# Altium PCB Microcontroller.PcbDoc
Units mm, origin at the board's own origin, x right, y up, seen from the top; angles counter-clockwise.
Board outline 155.07 x 130.68 mm, 4 copper layers (Signal Layer, GND Layer, 3V3 Layer, 5V Layer), stack 0.603 mm thick; 38 components, 38 nets, 217 pads, 23 vias.
Unrouted connection lines stored in the file: 10.
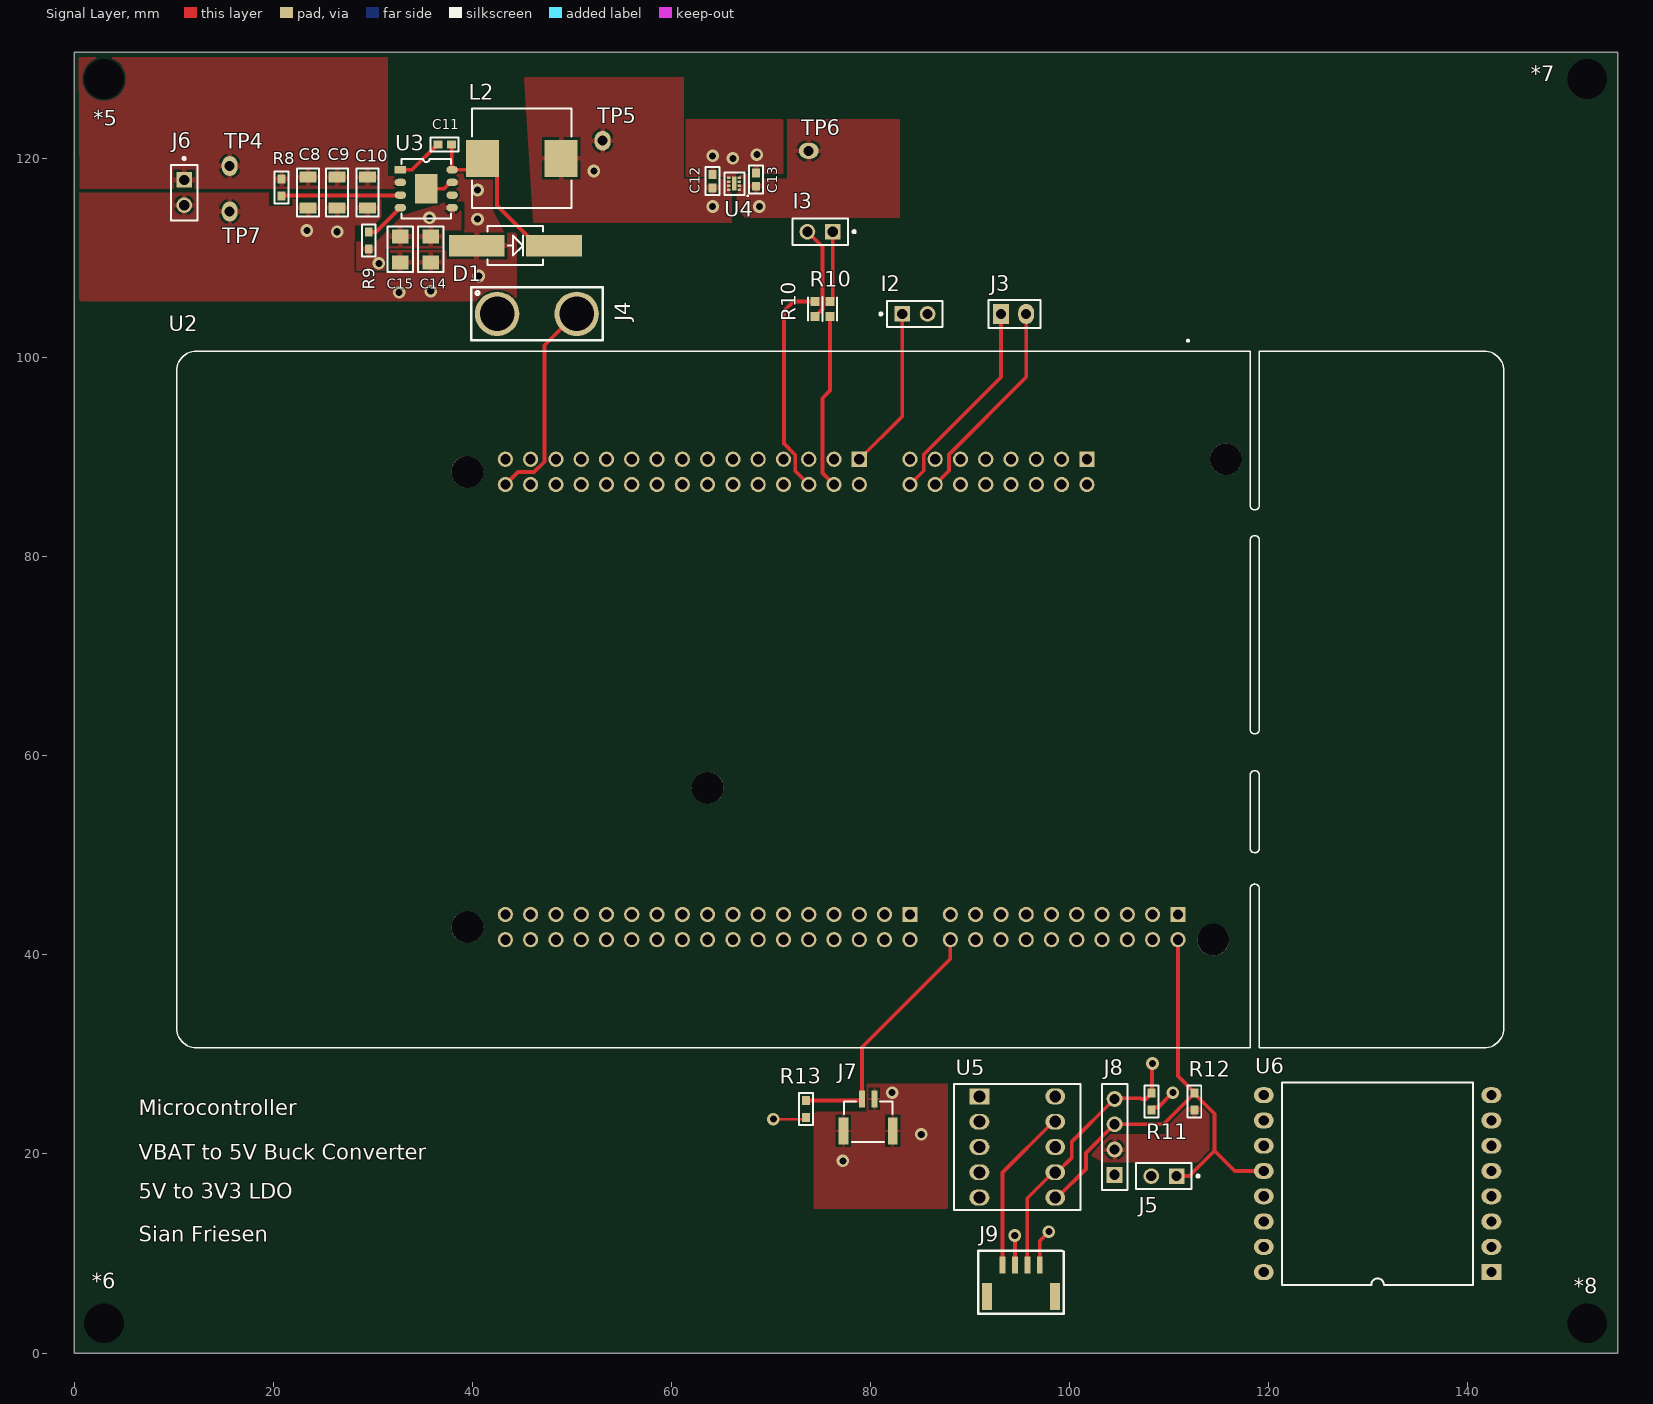
[diagram p0: Signal Layer view]
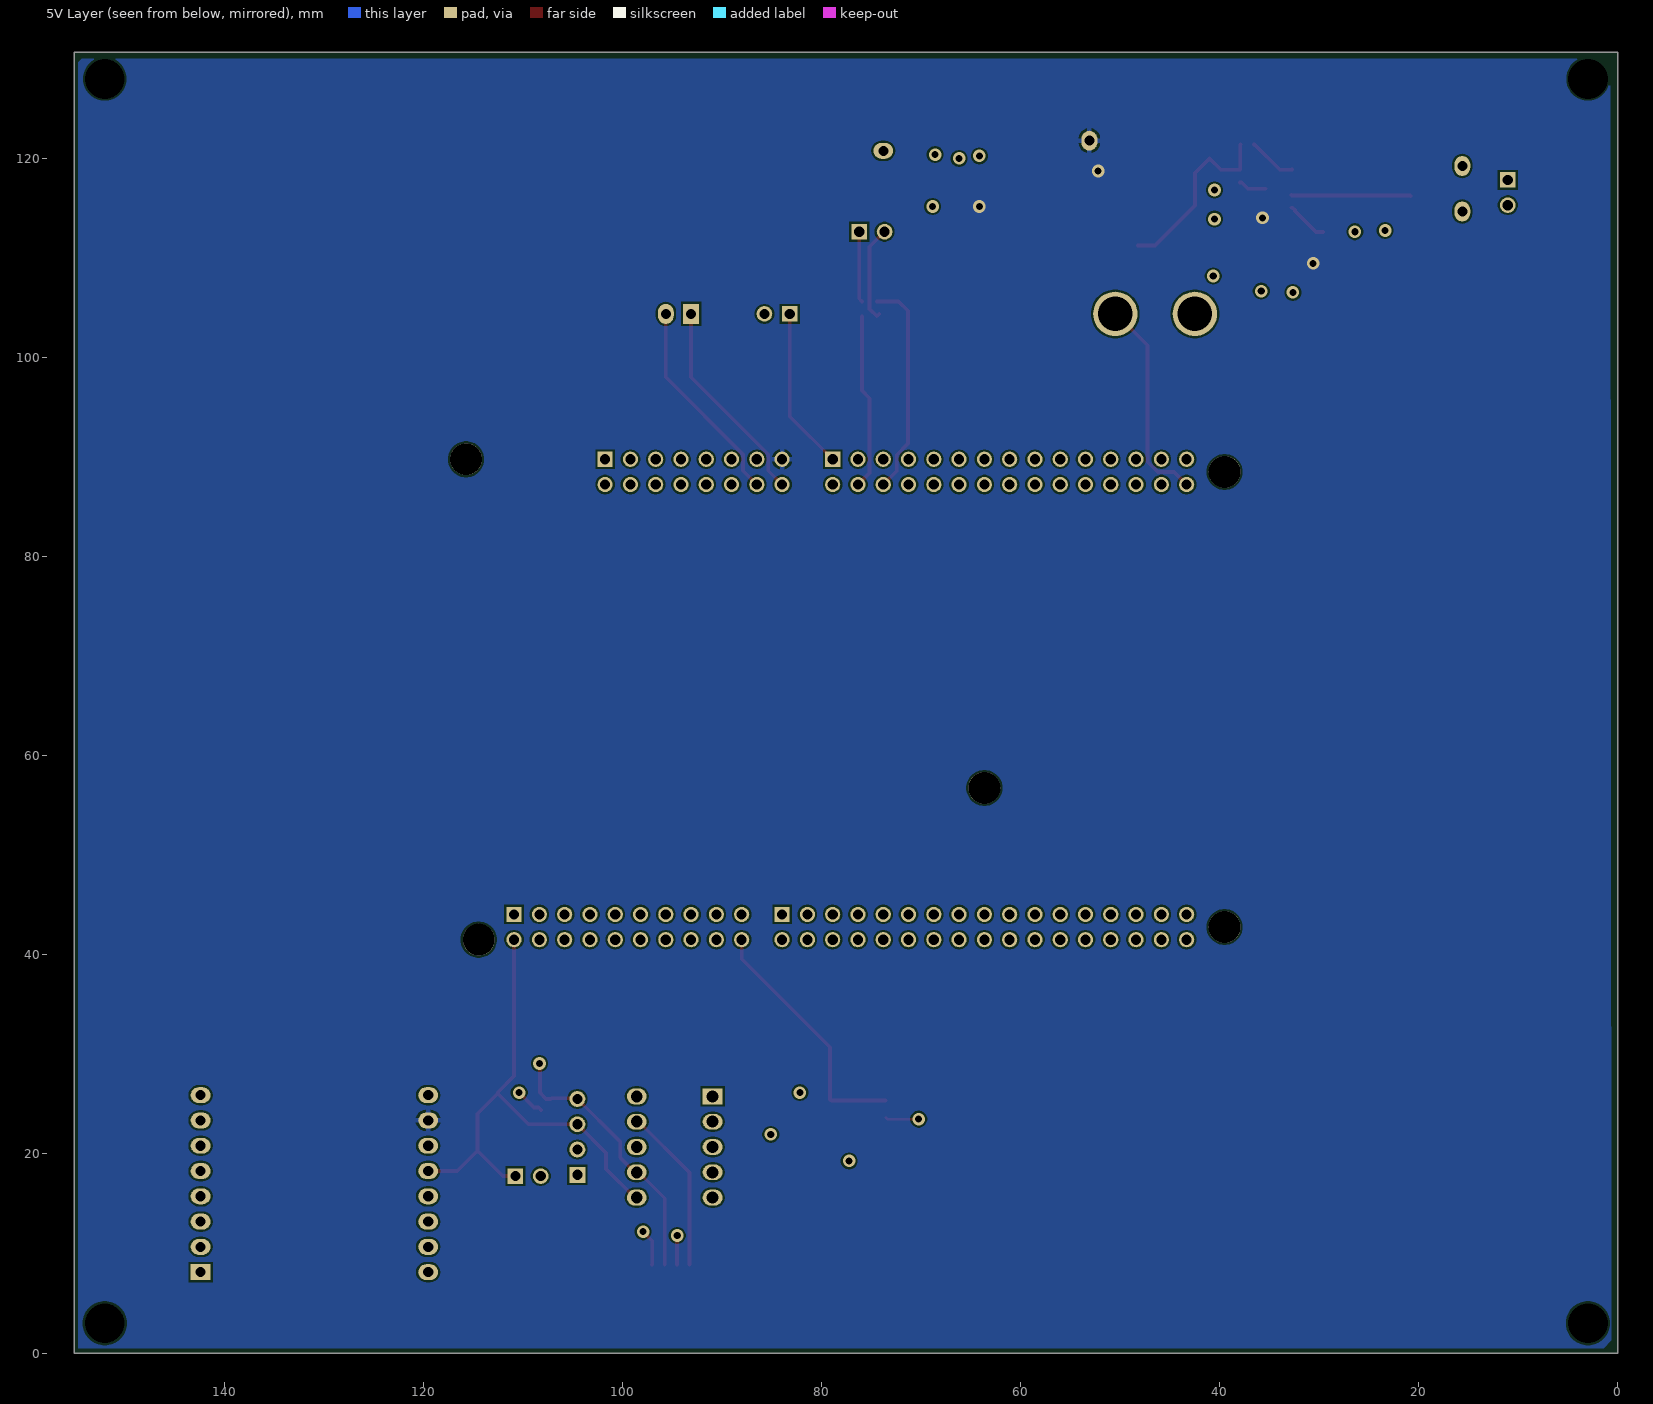
[diagram p1: 5V Layer view, seen from below]
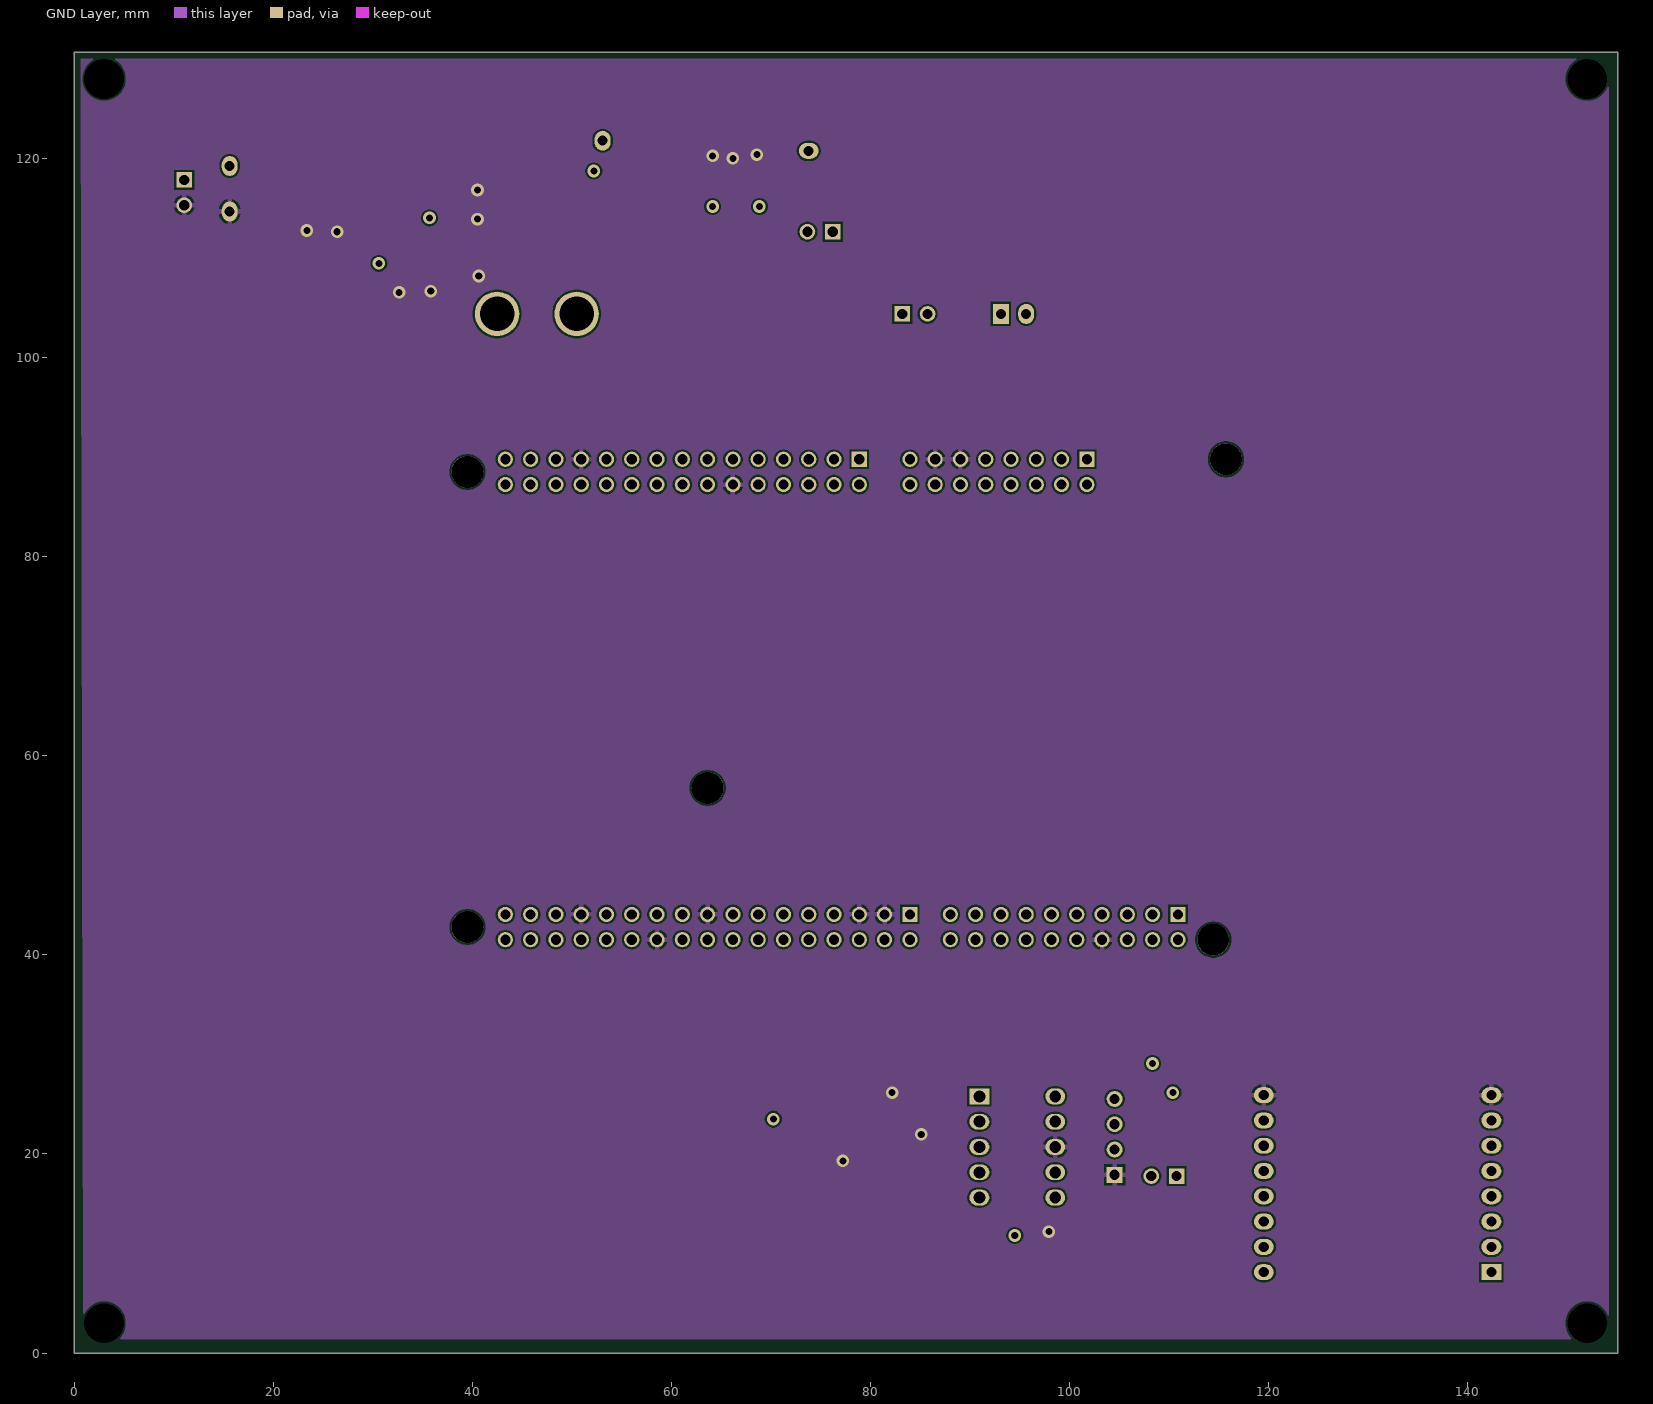
[diagram p2: GND Layer]
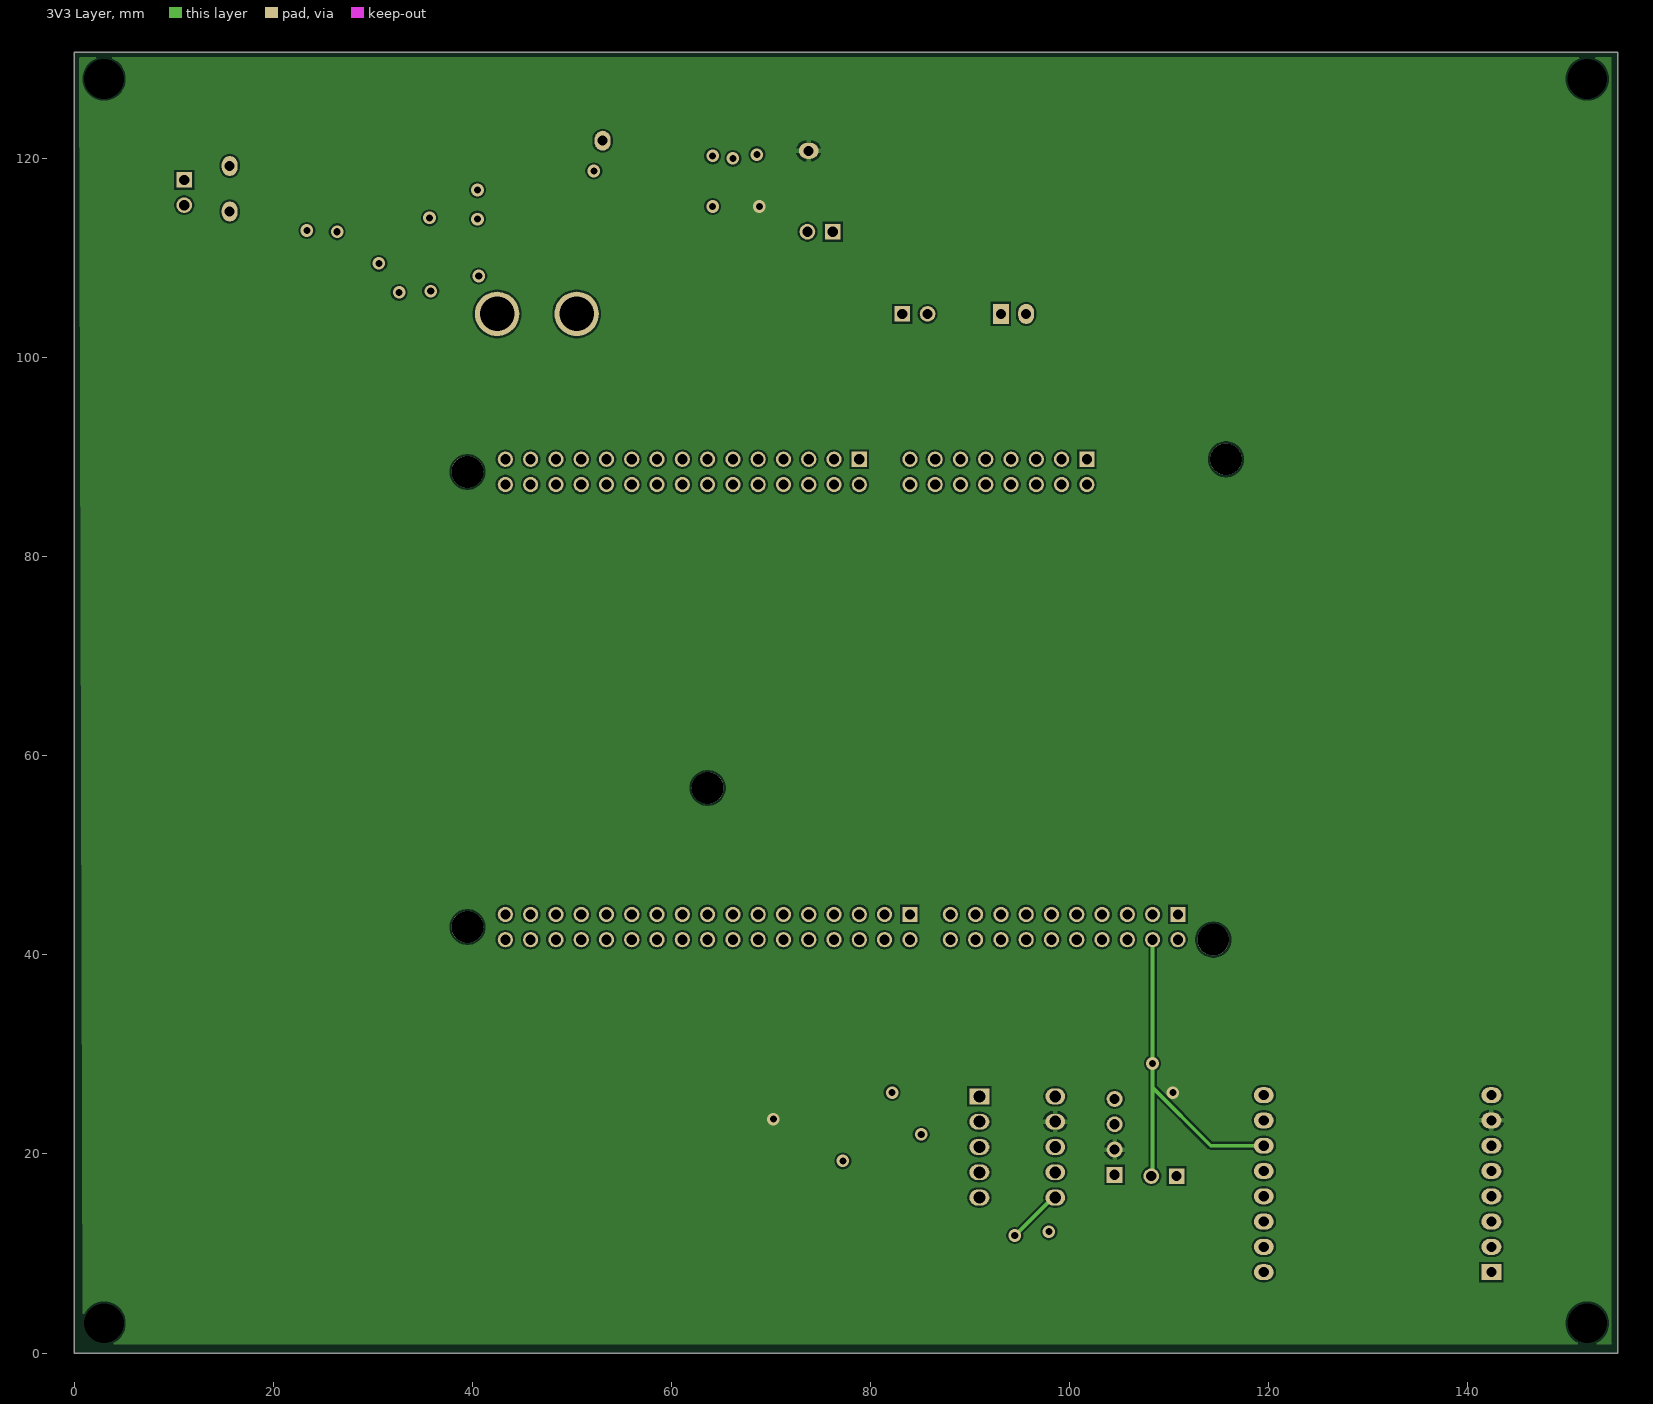
[diagram p3: 3V3 Layer]
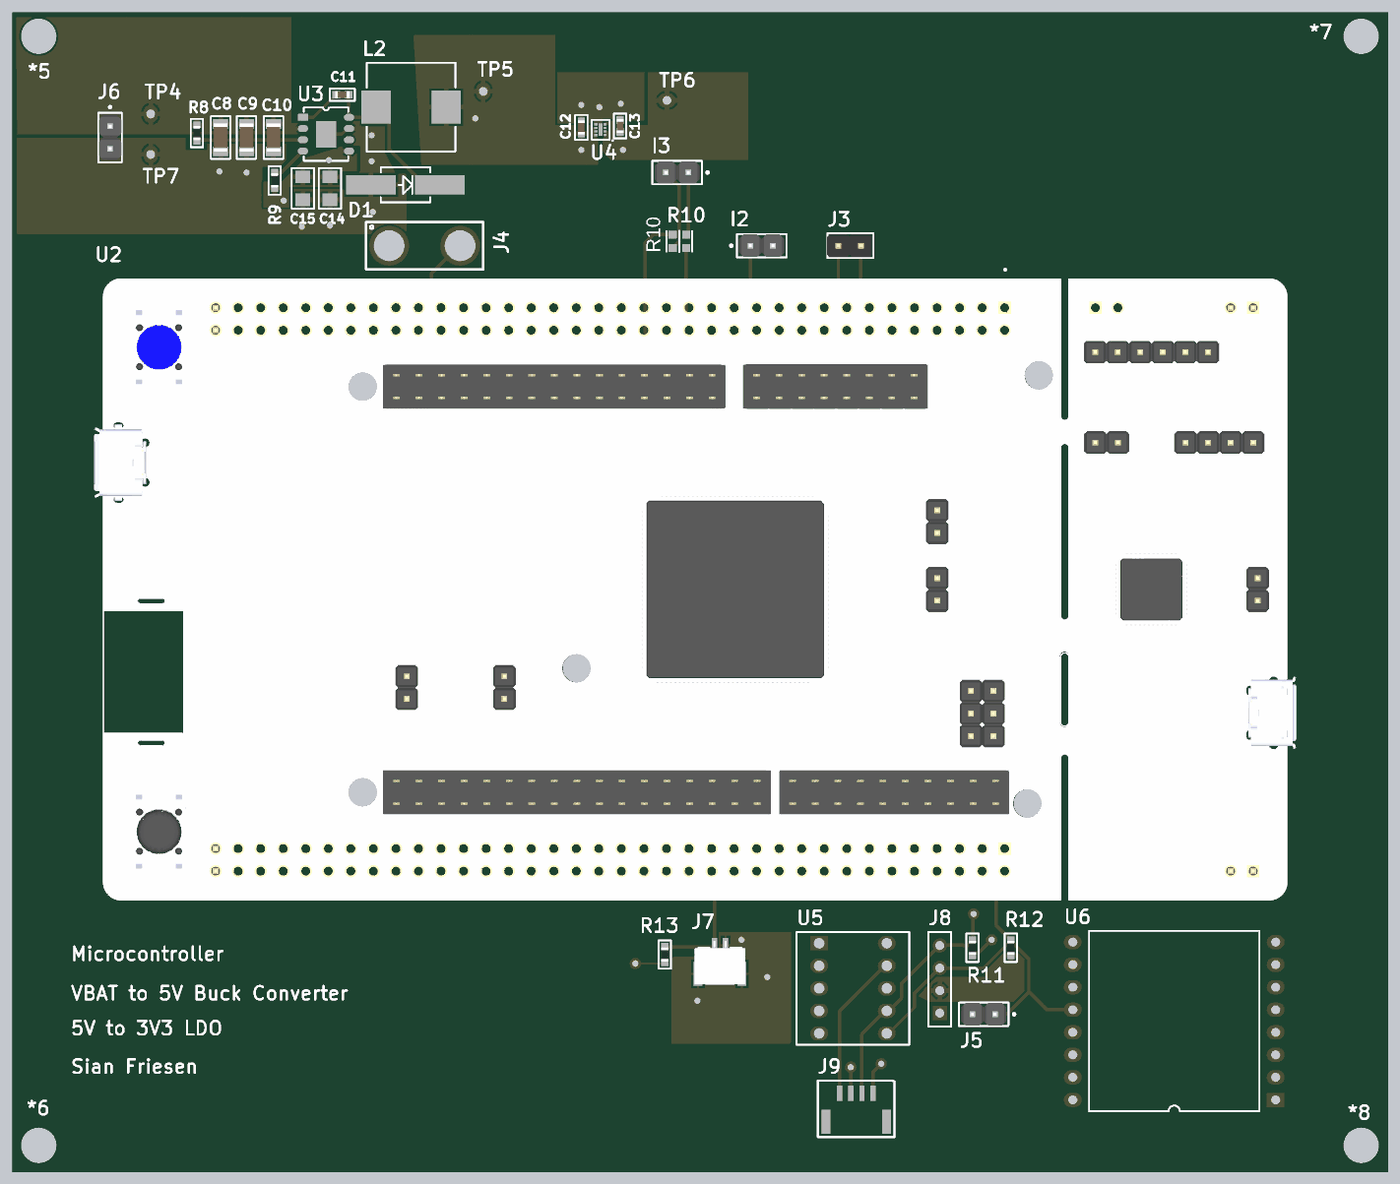
[diagram p4: 3D render of the assembled board from above, using the file's embedded part models]

## Layer stack, top to bottom
Top Solder: solder mask 0.0102, Solder Resist, Dk 3.5
Signal Layer: signal copper 0.0356
Dielectric 2: prepreg 0.0711, PP-006, Dk 4.1
GND Layer: signal copper 0.035
Dielectric 1: dielectric 0.32, FR-4, Dk 4.8
3V3 Layer: signal copper 0.035
Dielectric 5: prepreg 0.0711, PP-006, Dk 4.1
5V Layer: signal copper 0.0356
Bottom Solder: solder mask 0.0102, Solder Resist, Dk 3.5

## Board outline
0,0 155.067,0 155.067,130.683 0,130.683

## Design rules (kind name [scope] priority, off if disabled: settings)
BoardOutlineClearance [All] p1: gap=0.3 ignorepadtopadclearanceinfootprint=FALSE except(0.4: Arc-SplitBarrior Arc-SplitContinuation Track-SplitBarrior Track-SplitContinuation SMDPad-SplitBarrior SMDPad-SplitContinuation THPad-SplitBarrior THPad-SplitContinuation Via-SplitBarrior Via-SplitContinuation Fill-SplitBarrior Fill-SplitContinuation Poly-SplitBarrior Poly-SplitContinuation Region-SplitBarrior Region-SplitContinuation Text-SplitBarrior Text-SplitContinuation)
Clearance "Clearance Different Nets" [All] p1: gap=0.2 ignorepadtopadclearanceinfootprint=FALSE except(0.089: Arc-Arc Arc-Track Arc-SMDPad Track-Track Track-SMDPad; 0.127: SMDPad-SMDPad SMDPad-Via THPad-Via Via-Via; 0.254: Arc-Via Arc-Text Track-Via Track-Text SMDPad-Text THPad-Text Via-Text Fill-Text Poly-Text Region-Text Text-Text; 0.5: THPad-THPad Via-Hole)
Clearance "Clearance Same Nets" [All] p2: gap=0.2 ignorepadtopadclearanceinfootprint=FALSE except(0.089: Arc-Arc Arc-Track Arc-SMDPad Track-Track Track-SMDPad SMDPad-SMDPad; 0.127: SMDPad-Via THPad-Via; 0.254: Arc-Via Arc-Text Track-Via Track-Text SMDPad-Text THPad-Text Via-Via Via-Text Fill-Text Poly-Text Region-Text Text-Text)
Clearance "Clearance Bottom Layer" [OnLayer('Bottom Layer')] p3: gap=0.203 ignorepadtopadclearanceinfootprint=TRUE except(0.254: Arc-Text Track-Text SMDPad-Text THPad-Text Via-Text Fill-Text Poly-Text Region-Text Text-Text)
Clearance "Clearance Top Layer" [OnLayer('Top Layer')] p4: gap=0.203 ignorepadtopadclearanceinfootprint=TRUE except(0.254: Arc-Text Track-Text SMDPad-Text THPad-Text Via-Text Fill-Text Poly-Text Region-Text Text-Text)
HoleSize [All] p1: absolutevalues=TRUE maxlimit=6.3 minlimit=0.2 maxpercent=80.000 minpercent=20.000
MinimumAnnularRing [All] p1: minimumring=0.13
MinimumSolderMaskSliver [All] p1: minsoldermaskwidth=0.1
PolygonConnect PolygonConnect_1 [All] p1: thpad.connectstyle=Relief thpad.reliefconductorwidth=0.508 thpad.reliefentries=4 thpad.polygonreliefangle="90 Angle" thpad.airgapwidth=0.254 smdpad.connectstyle=Relief smdpad.reliefconductorwidth=0.508 smdpad.reliefentries=4 smdpad.polygonreliefangle="90 Angle" smdpad.airgapwidth=0.254 via.connectstyle=Direct via.reliefconductorwidth=0.508 via.reliefentries=4 via.polygonreliefangle="90 Angle" via.airgapwidth=0.254
RoutingCorners [All] p1: cornerstyle=Round minsetback=2.54 maxsetback=2.54
RoutingVias RoutingVias_1 [All] p1: holewidth=0.711 width=1.27 viastyle="Through Hole" minholewidth=0.711 minwidth=1.27 maxholewidth=0.711 maxwidth=1.27
SilkToSilkClearance [All] p1: silktosilkclearance=0.1
SilkToSolderMaskClearance [IsPad] p1: minsilkscreentomaskgap=0.1 clearancetoexposedcopper=TRUE
SolderMaskExpansion [All] p1: expansion=0.102 istentingtop=TRUE
Width [All] p1: maxlimit=2.54 minlimit=0.089 preferedwidth=0.381
25 further rules are at their usual default settings.

## Classes and differential pairs
component class "VBAT to 12V": C1 C2 C3 C4 C5 C6 C7 "GH and GL1" I1 L1 R1 R2 R3 R4 R5 R6 R7 TP1 TP2 TP3 U1
component class "Current Sensing": C16 TP8 TP9 TP10 TP11 U7

## Components (designator, comment, footprint, x,y, rotation, side; value= is the part's Value field where it differs from the comment)
*5 "Mounting_hole" Mounting_Hole#1 4.572,125.603 r0 top
*6 "Mounting_hole" Mounting_Hole#2 4.191,5.207 r0 top
*7 "Mounting_hole" Mounting_Hole#3 149.352,124.968 r0 top
*8 "Mounting_hole" Mounting_Hole#4 149.733,4.699 r0 top
C8 "10u" "1206 Capacitor" 23.495,116.586 r90 top value=10uF
C9 "10u" "1206 Capacitor" 26.416,116.586 r90 top value=10uF
C10 "10u" "1206 Capacitor" 29.464,116.586 r90 top value=10uF
C11 "0.1uF" "0603 Capacitor" 37.211,121.412 r180 top value=100nF
C12 "1uF" "0603 Capacitor" 64.135,117.729 r90 top
C13 "1uF" "0603 Capacitor" 68.499,117.891 r90 top
C14 "22u" "0805 Capacitor" 35.814,110.871 r270 top
C15 "22u" "0805 Capacitor" 32.766,110.871 r270 top
D1 "SSB43L-E3/52T" DO-214AA 44.323,111.252 r180 top
I2 "M20-9990246" FP-M20-9990246-MFG 84.455,104.394 r0 top
I3 "M20-9990246" FP-M20-9990246-MFG 74.93,112.649 r180 top
J3 "PREC002SAAN-RC" "Header 2.54mm" 94.361,104.394 r90 top
J4 "FIT5088" FIT0588 46.482,104.394 r90 top
J5 "M20-9990246" FP-M20-9990246-MFG 109.474,17.78 r180 top
J6 "M20-9990246" FP-M20-9990246-MFG 11.049,116.586 r270 top
J7 "SM02B-GHS-TB" SM02B-GHS-TB 79.756,25.527 r0 top
J8 "PPTC041LFBN-RC" "HDR 4POS 2.54mm" 104.521,21.717 r180 top
J9 "Bar30-SENSOR" "BAR30 DEPTH SENSOR" 95.123,4.318 r0 top
L2 "6.8u" "CLF10060NIT-6R8N-D 10.10mm x 10.00mm" 44.958,120.015 r0 top value=6.8uH
R8 "10k" "0603 Resistor" 20.828,117.094 r270 top value=10kR
R9 "10k" "0603 Resistor" 29.591,111.76 r90 top value=10kR
R10 "Resistor Signal Switch" "Resistor Signal Switch-Footprint" 75.184,104.902 r90 top
R11 "10k" "0603 Resistor" 108.204,25.273 r270 top value=10kR
R12 "10k" "0603 Resistor" 112.522,25.273 r270 top value=10kR
R13 "10k" "0603 Resistor" 73.533,24.511 r270 top value=10kR
TP4 "TP_1" TEST_POINT1 15.621,119.253 r90 top
TP5 "TP_1" TEST_POINT1 53.086,121.793 r90 top
TP6 "TP_1" TEST_POINT1 73.787,120.777 r180 top
TP7 "TP_1" TEST_POINT1 15.621,114.681 r90 top
U2 "NUCLEO-F446ZE" MODULE_NUCLEO-F446ZE 76.962,65.659 r270 top
U3 "ADP2303ARDZ-5.0-R7" SOIC-8-EP 35.368,116.967 r0 top
U4 "NCP186AMX330TAG" "8-XFDFN EXPOSED PAD" 66.294,117.475 r180 top
U5 "EV3419A" EV3419A 94.742,20.701 r0 top
U6 "MIKROE-3449" MIKROE-3449 142.367,8.128 r180 top
